# Allegro board RK_EVB7_RK3588_LP4XD200P232SD8_V11_20230111YWQ.brd (continued)
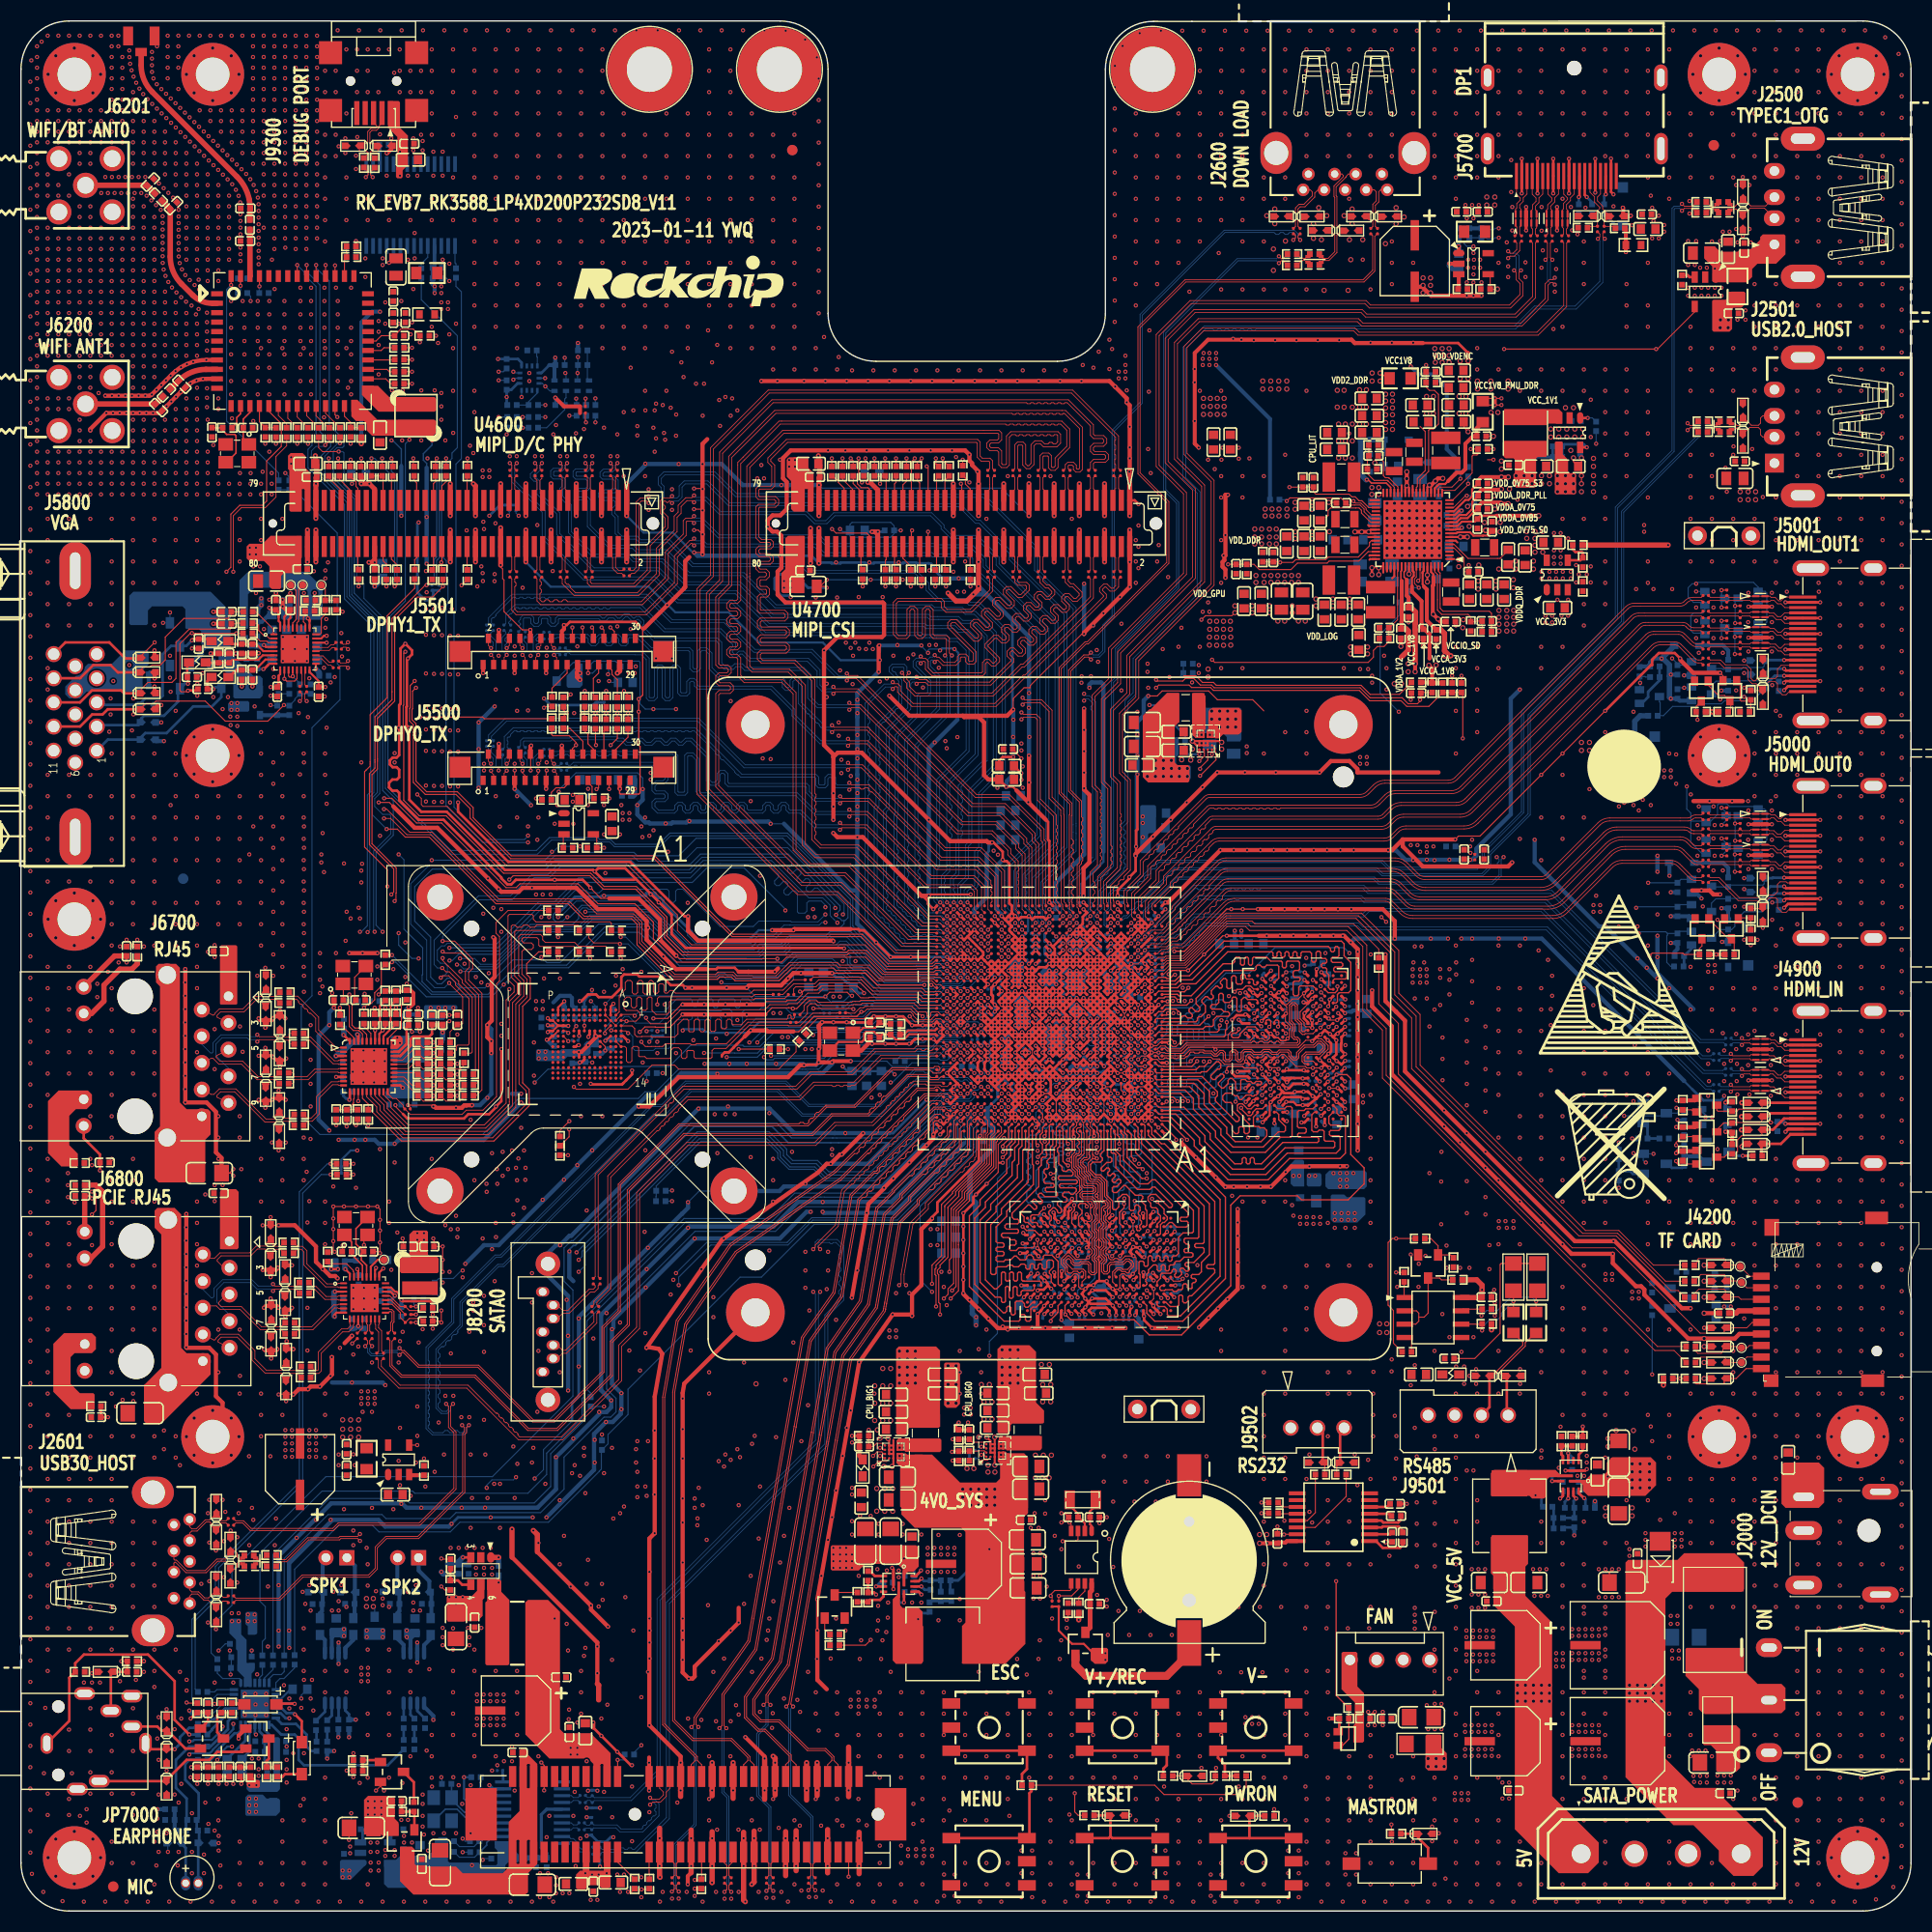
[diagram p0: board, top side]
## Routing (per net, layer and track width the routed paths; a pad name or vN(x,y) marks a point on that pad's centre or on a via; arc(x,y) is an arc through that point) (continued)
v1(22.33,20.69) v1(22.33,19.67) v1(22.33,18.66) v1(22.4,163.8) v1(22.49,22.54) v1(22.56,163.18) v1(22.55,153.33) v1(22.55,152.06) v1(22.55,150.79) v1(22.55,149.52) v1(22.55,148.25) v1(22.55,146.98) v1(22.55,145.71) v1(22.55,144.44) v1(22.5,89.07) v1(22.63,162.55) v1(22.63,161.91) v1(22.63,161.28) v1(22.63,160.64) v1(22.63,160.01) v1(22.63,159.37) v1(22.63,158.74) v1(22.63,158.1) v1(22.63,157.47) v1(22.63,156.83) v1(22.63,14.52) v1(22.63,13.5) v1(22.63,12.87) v1(22.76,128.06) v1(22.86,148.84) v1(22.86,135.93) v1(22.86,134.91) v1(22.86,132.59) v1(22.86,130.56) v1(22.86,112.27) v1(22.86,110.24) v1(22.86,108.2) v1(22.86,106.17) v1(22.86,104.14) v1(22.86,102.11) v1(22.86,100.08) v1(22.86,98.04) v1(22.86,96.01) v1(22.86,93.98) v1(22.86,91.95) v1(22.86,73.66) v1(22.86,71.63) v1(22.86,69.6) v1(22.86,67.56) v1(22.86,49.28) v1(22.86,47.24) v1(22.86,45.21) v1(22.86,4.57) v1(22.86,2.54) v1(23.01,137.07) v1(23.11,178.6) v1(23.11,177.59) v1(23.11,176.57) v1(23.11,175.55) v1(23.11,174.54) v1(23.11,173.52) v1(23.11,172.51) v1(23.11,171.49) v1(23.11,170.47) v1(23.11,169.46) v1(23.11,168.44) v1(23.11,167.43) v1(23.11,166.41) v1(23.11,165.39) v1(23.11,164.38) v1(23.11,163.36) v1(23.11,160.31) v1(23.14,122.09) v1(23.27,89.83) v1(23.34,20.69) v1(23.34,19.67) v1(23.34,18.66) v1(23.52,30.9) v1(23.52,25.19) v1(23.65,153.33) v1(23.65,152.06) v1(23.65,150.79) v1(23.65,149.52) v1(23.65,148.25) v1(23.65,146.98) v1(23.65,145.71) v1(23.65,144.44) v1(23.65,138.98) v1(23.65,124.88) v1(23.75,43.31) v1(23.88,135.93) v1(23.88,134.91) v1(23.9,157.27) v1(23.9,73.19) v1(24.03,118.28) v1(24.08,117.52) v1(24.03,109.39) v1(24.03,107.36) v1(24.03,103.29) v1(24.03,101.26) v1(24.03,99.23) v1(24.03,97.2) v1(24.03,95.16) v1(24.03,93.13) v1(24.03,91.1) v1(24.03,89.07) v1(24.13,178.6) v1(24.13,177.59) v1(24.13,176.57) v1(24.13,175.55) v1(24.13,174.54) v1(24.13,173.52) v1(24.13,172.51) v1(24.13,171.49) v1(24.13,170.47) v1(24.13,169.46) v1(24.13,168.44) v1(24.13,167.43) v1(24.13,166.41) v1(24.13,165.39) v1(24.13,164.38) v1(24.13,163.36) v1(24.13,162.35) v1(24.13,161.33) v1(24.13,160.31) v1(24.13,159.3) v1(24.13,158.28) v1(24.16,154.47) v1(24.17,34.84) v1(24.28,37.38) v1(24.27,0.89) v1(24.54,72.43) v1(24.89,148.84) v1(24.89,132.59) v1(24.89,112.27) v1(24.89,110.24) v1(24.89,108.2) v1(24.89,106.17) v1(24.89,104.14) v1(24.89,102.11) v1(24.89,100.08) v1(24.89,98.04) v1(24.89,96.01) v1(24.89,93.98) v1(24.89,91.95) v1(24.89,89.92) v1(24.89,71.63) v1(24.89,69.6) v1(24.89,67.56) v1(24.89,47.24) v1(24.89,8.64) v1(24.89,6.6) v1(24.89,4.57) v1(24.89,2.54) v1(24.94,121.33) v1(24.94,120.19) v1(24.94,119.04) v1(25.09,153.33) v1(25.09,152.06) v1(25.09,150.79) v1(25.09,149.52) v1(25.09,148.25) v1(25.09,146.98) v1(25.09,145.71) v1(25.09,144.44) v1(25.04,21.5) v1(25.15,178.6) v1(25.15,177.59) v1(25.15,176.57) v1(25.15,175.55) v1(25.15,174.54) v1(25.15,173.52) v1(25.15,172.51) v1(25.15,171.49) v1(25.15,170.47) v1(25.15,169.46) v1(25.15,168.44) v1(25.15,167.43) v1(25.15,166.41) v1(25.15,165.39) v1(25.15,164.38) v1(25.15,163.36) v1(25.15,162.35) v1(25.15,161.33) v1(25.15,160.31) v1(25.15,159.3) v1(25.17,158.41) v1(25.18,45.8) v1(25.18,45.16) v1(25.18,44.53) v1(25.18,43.89) v1(25.18,43.26) v1(25.21,73.19) v1(25.3,17.31) v1(25.3,14.39) v1(25.3,13.49) v1(25.3,12.23) v1(25.55,20.23) v1(25.55,19.3) v1(25.81,45.8) v1(25.81,45.16) v1(25.81,44.53) v1(25.81,43.89) v1(25.81,43.26) v1(25.93,15.03) v1(26.09,121.33) v1(26.09,120.19) v1(26.09,119.04) v1(26.16,178.6) v1(26.16,177.59) v1(26.16,176.57) v1(26.16,175.55) v1(26.16,174.54) v1(26.16,173.52) v1(26.16,172.51) v1(26.16,171.49) v1(26.16,170.47) v1(26.16,169.46) v1(26.16,168.44) v1(26.16,167.43) v1(26.16,166.41) v1(26.16,165.39) v1(26.16,164.38) v1(26.16,163.36) v1(26.16,162.35) v1(26.16,161.33) v1(26.16,160.31) v1(26.16,159.3) v1(26.16,158.28) v1(26.31,0.89) v1(26.57,108.24) v1(26.61,154.6) v1(26.61,153.33) v1(26.61,152.06) v1(26.61,150.79) v1(26.61,149.52) v1(26.61,148.25) v1(26.61,146.98) v1(26.61,145.71) v1(26.61,144.44) v1(26.61,10.05) v1(26.7,19.34) v1(26.82,30.39) v1(26.92,148.84) v1(26.92,112.27) v1(26.92,110.24) v1(26.95,109.39) v1(26.92,106.17) v1(26.92,104.14) v1(26.95,103.29) v1(26.92,102.11) v1(26.95,101.26) v1(26.92,100.08) v1(26.95,99.23) v1(26.92,98.04) v1(26.95,97.2) v1(26.92,96.01) v1(26.95,95.16) v1(26.92,93.98) v1(26.95,93.13) v1(26.92,91.95) v1(26.95,91.1) v1(26.92,89.92) v1(26.95,89.07) v1(26.95,87.54) v1(26.92,73.66) v1(26.92,71.63) v1(26.92,69.6) v1(26.92,26.92) v1(26.92,24.89) v1(26.92,22.86) v1(26.95,22.01) v1(26.95,15.03) v1(26.92,10.67) v1(26.92,8.64) v1(26.92,4.57) v1(26.92,2.54) v1(27.08,29.25) v1(27.18,178.6) v1(27.18,177.59) v1(27.18,176.57) v1(27.18,175.55) v1(27.18,174.54) v1(27.18,173.52) v1(27.18,172.51) v1(27.18,171.49) v1(27.18,170.47) v1(27.18,169.46) v1(27.18,168.44) v1(27.18,167.43) v1(27.18,166.41) v1(27.18,165.39) v1(27.18,164.38) v1(27.18,163.36) v1(27.18,162.35) v1(27.18,161.33) v1(27.18,160.31) v1(27.18,159.3) v1(27.18,158.28) v1(27.23,121.33) v1(27.23,120.19) v1(27.23,119.04) v1(27.2,70.4) v1(27.28,65.57) v1(27.28,57.44) v1(27.28,53.38) v1(27.46,117.4) v1(27.46,67.6) v1(27.46,45.8) v1(27.46,45.16) v1(27.46,44.53) v1(27.46,43.89) v1(27.46,43.26) v1(27.46,31.03) v1(27.58,84.37) v1(27.58,81.07) v1(27.58,78.78) v1(27.58,76.62) v1(27.57,73.53) v1(27.58,28.62) v1(27.58,20.23) v1(27.63,154.6) v1(27.63,153.33) v1(27.63,152.06) v1(27.63,150.79) v1(27.63,149.52) v1(27.63,148.25) v1(27.63,146.98) v1(27.63,145.71) v1(27.63,144.44) v1(27.71,22.01) v1(27.84,19.09) v1(27.89,127.59) v1(28.1,45.8) v1(28.1,45.16) v1(28.1,44.53) v1(28.1,43.89) v1(28.1,43.26) v1(28.09,37.25) v1(28.19,178.6) v1(28.19,177.59) v1(28.19,176.57) v1(28.19,175.55) v1(28.19,174.54) v1(28.19,173.52) v1(28.19,172.51) v1(28.19,171.49) v1(28.19,170.47) v1(28.19,169.46) v1(28.19,168.44) v1(28.19,167.43) v1(28.19,166.41) v1(28.19,165.39) v1(28.19,164.38) v1(28.19,163.36) v1(28.19,162.35) v1(28.19,161.33) v1(28.19,160.31) v1(28.19,159.3) v1(28.34,0.89) v1(28.47,91.23) v1(28.47,89.96) v1(28.47,88.69) v1(28.47,87.42) v1(28.73,61.13) v1(28.85,142.26) v1(28.85,118.4) v1(28.96,175.26) v1(28.96,173.23) v1(28.96,169.16) v1(28.96,167.13) v1(28.96,165.1) v1(28.96,163.07) v1(28.96,161.04) v1(28.96,159) v1(28.9,154.6) v1(28.9,153.33) v1(28.9,152.06) v1(28.9,150.79) v1(28.9,149.52) v1(28.96,148.84) v1(28.9,148.25) v1(28.9,146.98) v1(28.9,145.71) v1(28.9,144.44) v1(28.98,122.21) v1(28.96,110.24) v1(28.96,108.2) v1(28.96,67.56) v1(28.96,65.53) v1(28.96,63.5) v1(28.96,49.28) v1(28.96,47.24) v1(28.96,45.21) v1(28.96,43.18) v1(28.96,22.86) v1(28.96,20.83) v1(28.96,12.7) v1(28.96,10.67) v1(28.96,8.64) v1(28.96,6.6) v1(28.96,4.57) v1(28.96,2.54) v1(29.08,123.04) v1(29.24,128.44) v1(29.49,117.01) v1(29.49,37.25) v1(29.62,28.62) v1(29.74,69) v1(29.74,30.39) v1(29.97,175.26) v1(29.97,173.23) v1(29.97,169.16) v1(29.97,167.13) v1(30,154.6) v1(30.15,179.11) v1(30.17,153.33) v1(30.17,152.06) v1(30.17,150.79) v1(30.17,149.52) v1(30.17,148.25) v1(30.17,146.98) v1(30.17,145.71) v1(30.17,144.44) v1(30.25,168.06) v1(30.25,43.47) v1(30.25,42.46) v1(30.25,29.5) v1(30.25,28.62) v1(30.38,53.63) v1(30.37,0.89) v1(30.57,119.48) v1(30.51,31.03) v1(30.76,38.27) v1(30.89,168.82) v1(30.89,167.43) v1(30.99,177.29) v1(30.99,171.2) v1(30.99,165.1) v1(30.99,163.07) v1(30.99,161.04) v1(30.99,148.84) v1(30.99,51.31) v1(30.99,49.28) v1(30.99,28.96) v1(30.99,22.86) v1(30.99,20.83) v1(31.34,6.14) v1(31.34,5.5) v1(31.44,154.6) v1(31.44,150.79) v1(31.44,149.52) v1(31.44,148.25) v1(31.44,146.98) v1(31.44,145.71) v1(31.44,144.44) v1(31.39,94.53) v1(31.52,135.93) v1(31.65,58.33) v1(31.65,57.32) v1(31.65,53) v1(31.65,43.5) v1(31.65,36.24) v1(31.65,34.84) v1(31.78,42.46) v1(31.9,167.17) v1(31.9,165.9) v1(31.9,68.87) v1(32,177.29) v1(32,175.26) v1(32,173.23) v1(32.03,168.95) v1(32.19,179.11) v1(32.16,95.54) v1(32.13,53.76) v1(32.28,94.53) v1(32.26,12.19) v1(32.49,99.74) v1(32.41,97.96) v1(32.4,0.89) v1(32.54,47.54) v1(32.61,81.96) v1(32.61,78.91) v1(32.66,59.35) v1(32.66,57.32) v1(32.79,157.39) v1(32.79,155.62) v1(32.92,34.58) v1(33.02,177.29) v1(33.02,175.26) v1(33.02,173.23) v1(33.02,163.07) v1(33.02,161.04) v1(33.02,51.31) v1(33.02,33.02) v1(33.02,30.99) v1(33.02,24.89) v1(33.02,18.8) v1(33.02,16.76) v1(33.02,12.7) v1(33.02,2.54) v1(33.3,6.52) v1(33.3,5.63) v1(33.3,4.61) v1(33.3,3.85) v1(33.43,52.24) v1(33.43,47.54) v1(33.63,81.96) v1(33.63,78.91) v1(33.81,30.46) v1(33.93,89.96) v1(33.93,88.69) v1(33.93,6.52) v1(33.93,5.63) v1(34.04,177.29) v1(34.04,173.23) v1(34.06,151.42) v1(34.06,87.29) v1(34.06,4.61) v1(34.06,3.85) v1(34.19,169.2) v1(34.19,102.4) v1(34.22,179.11) v1(34.44,157.39) v1(34.44,156.76) v1(34.44,29.76) v1(34.44,29.12) v1(34.43,0.89) v1(34.57,31.09) v1(34.7,153.2) v1(34.7,151.17) v1(34.7,5.81) v1(34.7,5.25) v1(34.82,165.27) v1(35.05,177.29) v1(35.05,163.07) v1(35.05,161.04) v1(35.05,156.97) v1(35.05,67.56) v1(35.05,65.53) v1(35.05,28.96) v1(35.05,24.89) v1(35.05,22.86) v1(35.05,20.83) v1(35.05,18.8) v1(35.05,16.76) v1(35.05,12.7) v1(35.33,144.82) v1(35.54,175.07) v1(35.59,110.28) v1(35.59,71.29) v1(35.59,5.81) v1(35.59,5.25) v1(35.97,151.17) v1(35.97,112.69) v1(35.97,52.24) v1(35.97,42.87) v1(36.07,177.29) v1(36.07,175.26) v1(36.07,173.23) v1(36.09,54.27) v1(36.09,46.01) v1(36.09,40.55) v1(36.25,179.11) v1(36.22,153.33) v1(36.22,8.68) v1(36.35,144.82) v1(36.3,140.06) v1(36.32,12.19) v1(36.47,7.15) v1(36.47,6.52) v1(36.47,0.89) v1(36.6,92.24) v1(36.6,88.95) v1(36.74,88.32) v1(36.86,165.27) v1(36.86,157.27) v1(36.86,30.39) v1(36.86,8.68) v1(37.08,175.26) v1(37.08,173.23) v1(37.08,163.07) v1(37.08,161.04) v1(37.08,22.86) v1(37.08,20.83) v1(37.08,14.73) v1(37.11,150.15) v1(37.11,39.54) v1(37.24,151.3) v1(37.24,6.52) v1(37.36,168.82) v1(37.36,167.68) v1(37.36,154.47) v1(37.36,29.38) v1(37.36,28.62) v1(37.49,159.81) v1(37.49,157.39) v1(37.62,42.71) v1(37.62,31.03) v1(37.74,165.27) v1(37.74,48.05) v1(37.74,45.25) v1(37.87,54.14) v1(38,28.62) v1(38.1,175.26) v1(38.1,173.23) v1(38.1,169.16) v1(38.13,144.82) v1(38.13,140.06) v1(38.28,179.11) v1(38.25,168.57) v1(38.25,167.68) v1(38.25,11.09) v1(38.25,10.2) v1(38.25,9.06) v1(38.25,8.04) v1(38.38,43.09) v1(38.38,7.28) v1(38.51,40.43) v1(38.5,0.89) v1(38.71,138.34) v1(38.76,5.76) v1(38.89,23.03) v1(39.12,177.29) v1(39.12,175.26) v1(39.12,173.23) v1(39.12,171.2) v1(39.12,169.16) v1(39.12,163.07) v1(39.12,161.04) v1(39.12,150.88) v1(39.12,71.63) v1(39.12,16.76) v1(39.12,14.73) v1(39.12,12.7) v1(39.14,11.85) v1(39.27,167.55) v1(39.27,165.27) v1(39.21,55.46) v1(39.27,7.41) v1(39.4,144.82) v1(39.4,41.82) v1(39.52,150.03) v1(39.78,46.52) v1(40.03,144.57) v1(40.03,143.3) v1(40.03,142.03) v1(40.16,167.55) v1(40.16,165.27) v1(40.16,59.86) v1(40.16,58.84) v1(40.16,26.96) v1(40.16,26.08) v1(40.16,25.31) v1(40.28,43.47) v1(40.28,7.41) v1(40.31,179.11) v1(40.41,140.06) v1(40.41,49.06) v1(40.53,0.89) v1(40.79,156.89) v1(40.79,150.15) v1(40.79,84.75) v1(40.94,53.1) v1(40.92,34.58) v1(41.15,177.29) v1(41.15,175.26) v1(41.15,173.23) v1(41.15,169.16) v1(41.15,165.1) v1(41.15,163.07) v1(41.15,161.04) v1(41.15,148.84) v1(41.15,144.78) v1(41.17,49.06) v1(41.15,26.92) v1(41.15,24.89) v1(41.15,22.86) v1(41.15,20.83) v1(41.15,18.8) v1(41.15,16.76) v1(41.17,12.74) v1(41.43,170.86) v1(41.43,151.17) v1(41.43,7.41) v1(41.55,83.48) v1(41.55,64.18) v1(41.68,34.58) v1(41.94,47.03) v1(42.06,60.35) v1(42.02,10.2) v1(42.35,179.11) v1(42.44,34.58) v1(42.57,26.96) v1(42.56,0.89) v1(42.7,55.16) v1(42.7,47.03) v1(42.7,26.08) v1(42.7,25.31) v1(42.82,43.47) v1(42.82,36.49) v1(42.82,11.98) v1(42.82,7.41) v1(42.95,39.33) v1(43.08,57.95) v1(43.18,177.29) v1(43.18,175.26) v1(43.18,173.23) v1(43.18,171.2) v1(43.18,169.16) v1(43.18,167.13) v1(43.18,165.1) v1(43.18,163.07) v1(43.18,161.04) v1(43.18,159) v1(43.18,156.97) v1(43.18,154.94) v1(43.18,152.91) v1(43.18,150.88) v1(43.18,148.84) v1(43.18,144.78) v1(43.18,142.75) v1(43.18,69.6) v1(43.18,24.89) v1(43.18,22.86) v1(43.18,16.76) v1(43.18,14.73) v1(43.21,34.58) v1(43.32,88.95) v1(43.33,32.68) v1(43.33,32.04) v1(43.42,20.61) v1(43.42,19.98) v1(43.42,18.33) v1(43.42,17.69) v1(43.84,88.43) v1(43.84,26.96) v1(43.97,64.05) v1(43.97,34.58) v1(44.06,20.61) v1(44.06,19.98) v1(44.06,18.33) v1(44.06,17.69) v1(44.09,109.26) v1(44.09,108.63) v1(44.09,58.59) v1(44.09,55.79) v1(44.09,53.25) v1(44.09,46.78) v1(44.09,32.68) v1(44.09,32.04) v1(44.22,43.47) v1(44.38,179.11) v1(44.43,39.33) v1(44.59,0.89) v1(44.73,34.58) v1(44.69,20.61) v1(44.69,19.98) v1(44.69,18.33) v1(44.69,17.69) v1(44.86,63.03) v1(44.86,32.68) v1(44.86,32.04) v1(44.86,13.38) v1(45.11,59.98) v1(45.21,177.29) v1(45.21,175.26) v1(45.21,173.23) v1(45.21,171.2) v1(45.21,169.16) v1(45.21,167.13) v1(45.21,165.1) v1(45.21,163.07) v1(45.21,161.04) v1(45.21,159) v1(45.21,156.97) v1(45.21,154.94) v1(45.21,152.91) v1(45.21,150.88) v1(45.21,116.33) v1(45.21,106.17) v1(45.21,65.53) v1(45.21,22.86) v1(45.21,16.76) v1(45.21,14.73) v1(45.33,20.61) v1(45.33,19.98) v1(45.33,18.33) v1(45.33,17.69) v1(45.36,13.88) v1(45.49,119.55) v1(45.49,108.63) v1(45.62,36.49) v1(45.75,95.42) v1(45.96,20.61) v1(45.96,19.98) v1(45.96,18.33) v1(45.96,17.69) v1(46,14.26) v1(46.41,179.11) v1(46.63,0.89) v1(46.76,15.66) v1(46.76,14.26) v1(46.89,65.57) v1(46.89,44.24) v1(47.02,120.44) v1(47.02,119.55) v1(47.02,109.26) v1(47.02,39.33) v1(47.02,11.47) v1(47.24,177.29) v1(47.24,175.26) v1(47.24,173.23) v1(47.24,171.2) v1(47.24,169.16) v1(47.24,167.13) v1(47.24,165.1) v1(47.24,163.07) v1(47.24,161.04) v1(47.24,159) v1(47.24,156.97) v1(47.24,154.94) v1(47.24,152.91) v1(47.24,150.88) v1(47.24,148.84) v1(47.24,116.33) v1(47.24,114.3) v1(47.24,106.17) v1(47.24,104.14) v1(47.24,69.6) v1(47.27,42.59) v1(47.24,22.86) v1(47.24,20.83) v1(47.24,18.8) v1(47.24,16.76) v1(48.29,114.34) v1(48.44,179.11) v1(48.41,146.47) v1(48.41,145.71) v1(48.54,119.55) v1(48.67,97.45) v1(48.67,60.75) v1(48.67,57.95) v1(48.67,42.71) v1(48.66,0.89) v1(48.79,44.11) v1(49.17,102.02) v1(49.17,47.54) v1(49.28,177.29) v1(49.28,175.26) v1(49.28,173.23) v1(49.28,171.2) v1(49.28,169.16) v1(49.28,167.13) v1(49.28,165.1) v1(49.28,163.07) v1(49.28,161.04) v1(49.28,159) v1(49.28,156.97) v1(49.28,154.94) v1(49.28,152.91) v1(49.28,150.88) v1(49.28,104.14) v1(49.28,53.34) v1(49.28,35.05) v1(49.28,14.73) v1(49.43,3.6) v1(49.43,1.31) v1(49.94,40.68) v1(50.06,120.31) v1(50.06,119.55) v1(50.06,7.03) v1(50.19,3.6) v1(50.32,9.06) v1(50.32,1.31) v1(50.47,179.11) v1(50.57,100.88) v1(50.69,0.89) v1(50.83,103.55) v1(50.95,3.22) v1(50.95,2.45) v1(50.95,1.69) v1(51.08,105.32) v1(51.31,177.29) v1(51.31,175.26) v1(51.31,173.23) v1(51.31,171.2) v1(51.31,169.16) v1(51.31,167.13) v1(51.31,165.1) v1(51.31,163.07) v1(51.31,161.04) v1(51.31,159) v1(51.31,156.97) v1(51.31,154.94) v1(51.31,152.91) v1(51.31,150.88) v1(51.36,138.55) v1(51.31,51.31) v1(51.31,39.12) v1(51.31,33.02) v1(51.59,1.69) v1(51.97,58.21) v1(51.97,27.35) v1(52.01,138.55) v1(52.1,54.78) v1(52.1,24.81) v1(52.16,18.27) v1(52.2,19.18) v1(52.22,1.69) v1(52.35,30.9) v1(52.48,41.7) v1(52.51,179.11) v1(52.68,114.09) v1(52.6,103.55) v1(52.6,45) v1(52.6,9.06) v1(52.73,11.34) v1(52.82,4.28) v1(52.98,120.44) v1(52.98,17.95) v1(53.24,78.78) v1(53.28,6.91) v1(53.34,177.29) v1(53.34,175.26) v1(53.34,173.23) v1(53.34,171.2) v1(53.34,169.16) v1(53.34,167.13) v1(53.34,165.1) v1(53.34,163.07) v1(53.34,161.04) v1(53.34,159) v1(53.34,156.97) v1(53.34,154.94) v1(53.34,152.91) v1(53.34,150.88) v1(53.34,75.69) v1(53.34,22.86) v1(53.34,20.83) v1(53.34,18.8) v1(53.62,43.35) v1(53.62,24.3) v1(53.76,138.55) v1(53.75,39.79) v1(53.87,14.26) v1(54,105.32) v1(54.25,1.06) v1(54.41,138.55) v1(54.54,179.11) v1(54.51,54.52) v1(54.64,44.87) v1(54.64,42.71) v1(54.89,1.06) v1(55.01,117.13) v1(55.27,16.68) v1(55.37,177.29) v1(55.37,175.26) v1(55.37,173.23) v1(55.37,171.2) v1(55.37,169.16) v1(55.37,167.13) v1(55.37,165.1) v1(55.37,163.07) v1(55.37,161.04) v1(55.37,159) v1(55.37,156.97) v1(55.37,154.94) v1(55.37,152.91) v1(55.37,150.88) v1(55.37,148.84) v1(55.37,75.69) v1(55.33,31.15) v1(55.52,105.32) v1(55.52,102.53) v1(55.52,41.7) v1(55.52,11.34) v1(55.77,56.95) v1(55.84,19.65) v1(56.15,138.55) v1(56.29,44.11) v1(56.29,23.92) v1(56.3,8.93) v1(56.41,37.38) v1(56.57,179.11) v1(56.8,138.55) v1(56.79,15.15) v1(56.79,3.47) v1(57.05,102.53) v1(57.05,1.82) v1(57.18,105.32) v1(57.4,171.2) v1(57.4,169.16) v1(57.4,167.13) v1(57.4,165.1) v1(57.4,163.07) v1(57.4,161.04) v1(57.4,159) v1(57.4,156.97) v1(57.4,154.94) v1(57.4,152.91) v1(57.4,150.88) v1(57.4,148.84) v1(57.4,142.75) v1(57.4,136.65) v1(57.43,38.52) v1(57.43,3.47) v1(57.94,53.38) v1(58.06,122.09) v1(58.19,11.85) v1(58.19,6.64) v1(58.57,43.98) v1(58.57,42.71) v1(58.6,179.11) v1(58.7,40.43) v1(58.7,39.41) v1(58.95,51.48) v1(59.08,20.36) v1(59.08,3.22) v1(59.08,1.31) v1(59.18,102.28) v1(59.44,169.16) v1(59.44,167.13) v1(59.44,165.1) v1(59.44,163.07) v1(59.44,161.04) v1(59.44,159) v1(59.44,156.97) v1(59.44,154.94) v1(59.44,152.91) v1(59.44,150.88) v1(59.44,148.84) v1(59.44,144.78) v1(59.44,136.65) v1(59.44,104.14) v1(59.46,55.03) v1(59.77,133.44) v1(59.72,22.77) v1(59.85,25.57) v1(59.85,24.04) v1(59.84,9.41) v1(59.97,108.4) v1(59.97,96.81) v1(60.48,119.29) v1(60.63,179.11) v1(60.6,82.78) v1(60.6,81.7) v1(60.73,96.05) v1(60.85,0.89) v1(61.11,1.82) v1(61.3,86.34) v1(61.47,171.2) v1(61.47,169.16) v1(61.47,167.13) v1(61.47,165.1) v1(61.47,163.07) v1(61.47,161.04) v1(61.47,159) v1(61.47,156.97) v1(61.47,154.94) v1(61.47,152.91) v1(61.47,150.88) v1(61.47,144.78) v1(61.87,58.71) v1(62,135.4) v1(62,133.44) v1(62,119.29) v1(62,93.89) v1(62,1.18) v1(62.13,60.11) v1(62.51,10.33) v1(62.67,179.11) v1(62.64,1.18) v1(62.89,147.49) v1(63.02,48.81) v1(63.02,45.89) v1(63.02,43.09) v1(63.02,39.28) v1(63.02,37) v1(63.02,33.19) v1(63.02,25.82) v1(63.02,23.92) v1(63.1,146.09) v1(63.4,1.82) v1(63.5,171.2) v1(63.5,169.16) v1(63.5,167.13) v1(63.5,165.1) v1(63.5,163.07) v1(63.5,161.04) v1(63.5,159) v1(63.5,156.97) v1(63.5,154.94) v1(63.5,150.88) v1(63.5,148.84) v1(63.5,96.01) v1(63.53,18.33) v1(63.78,53.38) v1(64.03,82.94) v1(64.16,1.44) v1(64.54,40.3) v1(64.7,179.11) v1(64.8,61.13) v1(64.8,18.2) v1(64.92,38.65) v1(64.91,0.89) v1(65.3,35.35) v1(65.43,29.12) v1(65.53,177.29) v1(65.53,175.26) v1(65.53,173.23) v1(65.53,171.2) v1(65.53,169.16) v1(65.53,167.13) v1(65.53,165.1) v1(65.53,163.07) v1(65.53,161.04) v1(65.53,159) v1(65.53,156.97) v1(65.53,154.94) v1(65.53,152.91) v1(65.53,51.31) v1(65.53,49.28) v1(65.53,14.73) v1(65.53,10.67) v1(65.53,8.64) v1(65.81,147.49) v1(65.94,58.46) v1(65.94,56.56) v1(65.94,22.77) v1(66.19,18.07) v1(66.19,1.82) v1(66.31,149.15) v1(66.32,79.73) v1(66.32,72.18) v1(66.29,7.75) v1(66.45,42.84) v1(66.45,25.69) v1(66.73,179.11) v1(66.95,42.33) v1(66.95,24.04) v1(67.01,1.17) v1(67.34,76.62) v1(67.56,177.29) v1(67.56,175.26) v1(67.56,173.23) v1(67.56,171.2) v1(67.56,169.16) v1(67.56,167.13) v1(67.56,165.1) v1(67.56,163.07) v1(67.56,161.04) v1(67.56,159) v1(67.56,156.97) v1(67.56,154.94) v1(67.56,152.91) v1(67.56,150.88) v1(67.56,148.84) v1(67.59,115.23) v1(67.59,18.07) v1(67.56,14.73) v1(67.64,1.17) v1(67.73,144.06) v1(68.1,19.6) v1(68.35,38.65) v1(68.33,7.75) v1(68.35,1.82) v1(68.48,43.22) v1(68.76,179.11) v1(68.86,52.24) v1(68.86,29.25) v1(69.49,31.92) v1(69.6,171.2) v1(69.6,169.16) v1(69.6,167.13) v1(69.6,165.1) v1(69.6,163.07) v1(69.6,161.04) v1(69.6,159) v1(69.6,156.97) v1(69.6,154.94) v1(69.6,152.91) v1(69.6,150.88) v1(69.6,148.84) v1(69.62,22.77) v1(69.6,10.67) v1(69.6,8.64) v1(69.88,45.25) v1(70.26,35.47) v1(70.26,1.82) v1(70.38,98.59) v1(70.38,40.43) v1(70.38,18.96) v1(70.36,7.75) v1(70.51,137.71) v1(70.51,24.04) v1(70.79,179.11) v1(71.02,25.82) v1(70.99,1.26) v1(71.27,75.99) v1(71.27,62.91) v1(71.53,17.44) v1(71.63,169.16) v1(71.63,167.13) v1(71.63,165.1) v1(71.63,163.07) v1(71.63,161.04) v1(71.63,159) v1(71.63,156.97) v1(71.63,154.94) v1(71.63,152.91) v1(71.63,150.88) v1(71.63,148.84) v1(71.63,146.81) v1(71.63,71.63) v1(71.63,69.6) v1(71.65,29.5) v1(71.59,18.84) v1(71.63,10.67) v1(71.65,1.26) v1(71.91,45.13) v1(72.16,7.91) v1(72.29,138.22) v1(72.29,33.19) v1(72.42,1.82) v1(72.67,35.73) v1(72.67,20.23) v1(72.83,179.07) v1(72.8,50.59) v1(73.04,0.89) v1(73.18,38.39) v1(73.56,54.14) v1(73.66,171.2) v1(73.66,169.16) v1(73.66,165.1) 